# Altium PCB 20220331_Keyboard_V0.1.PcbDoc (part 1 of 2)
Units mil, origin at the board's own origin, x right, y up, seen from the top; angles counter-clockwise.
Board outline 8065.67 x 4703.83 mil, 2 copper layers (Top Layer, Bottom Layer); 134 components, 104 nets, 688 pads, 2532 vias.
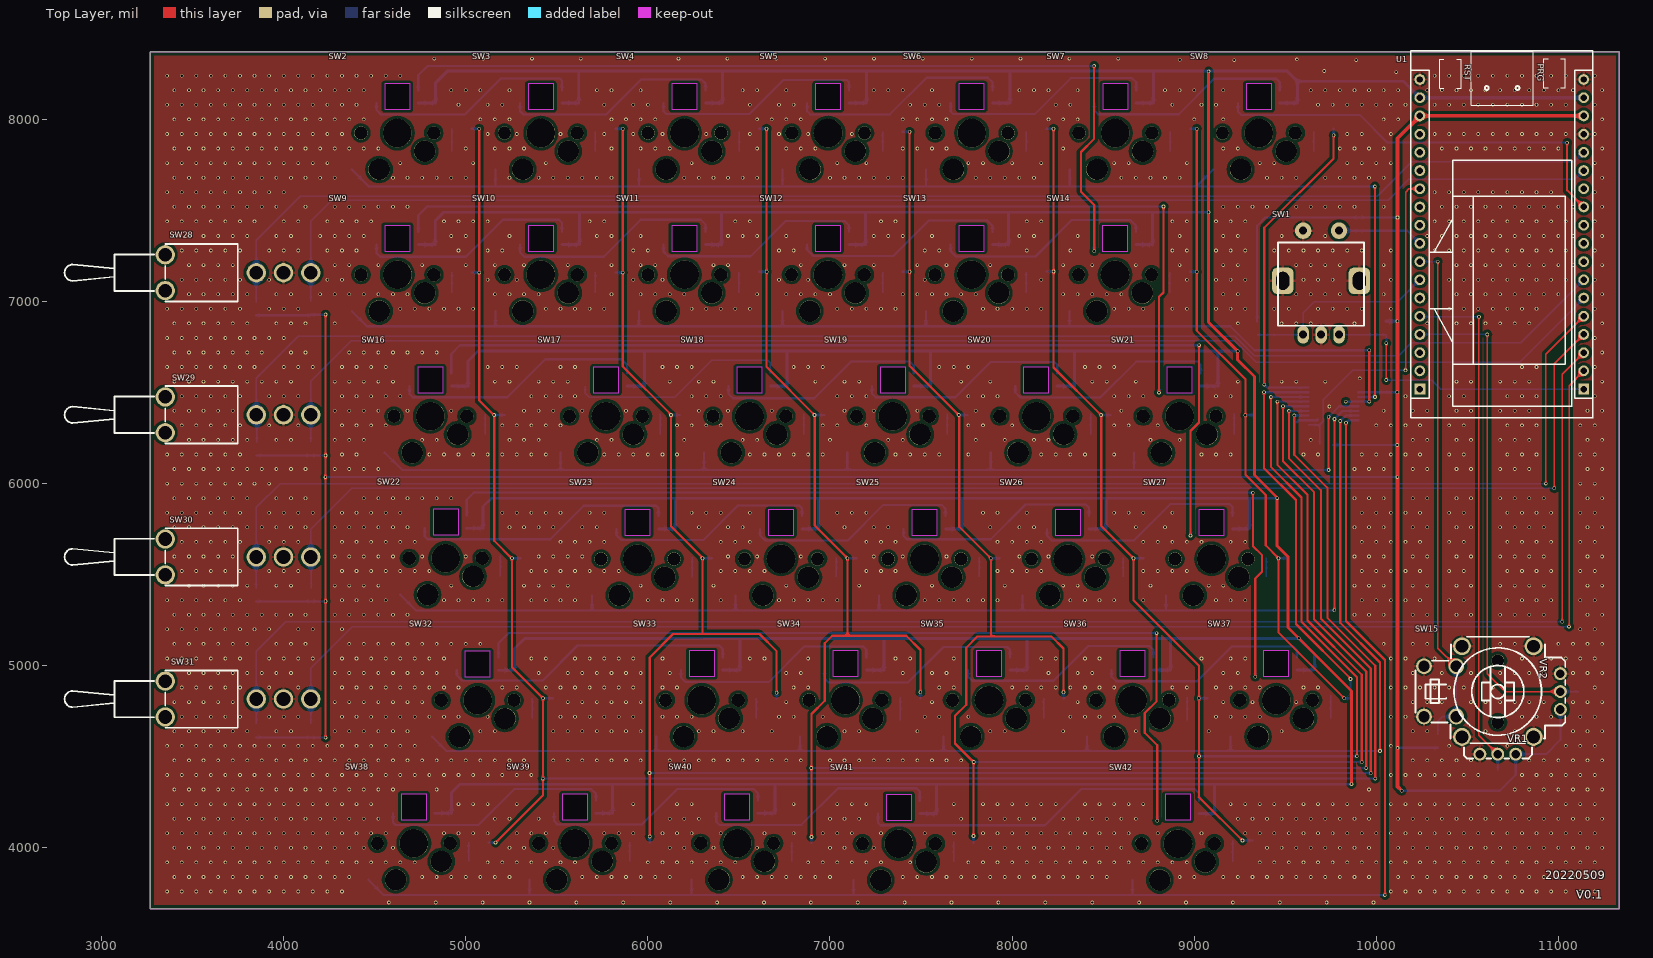
[diagram p0: Top Layer view]
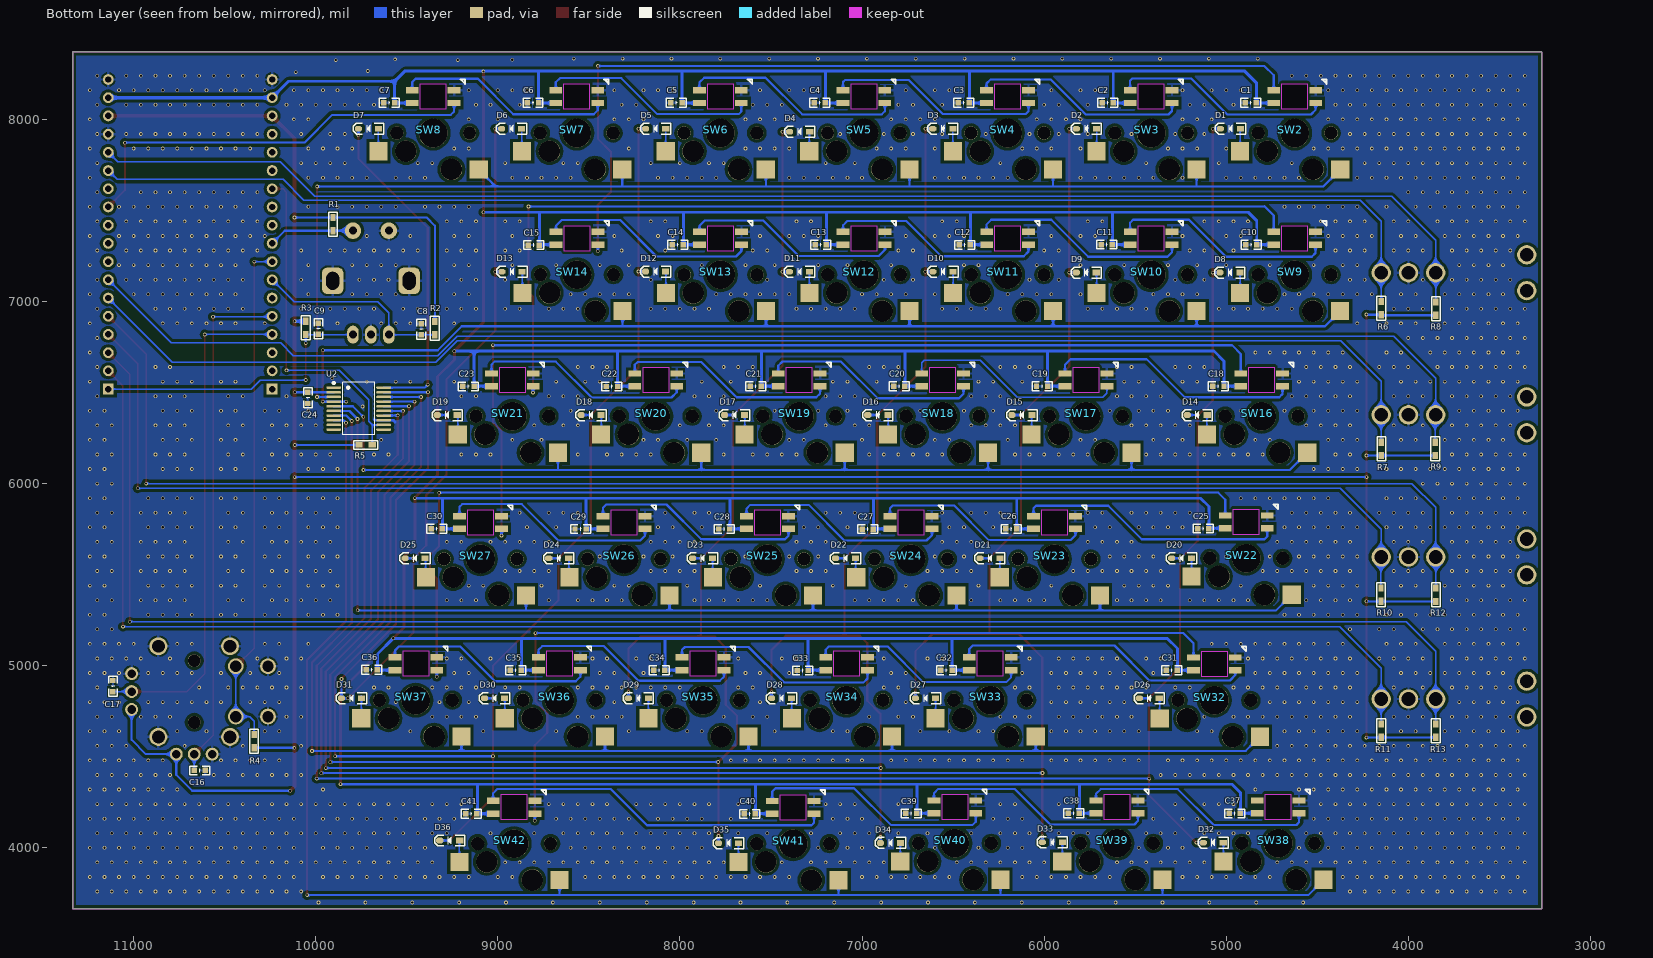
[diagram p1: Bottom Layer view, seen from below]
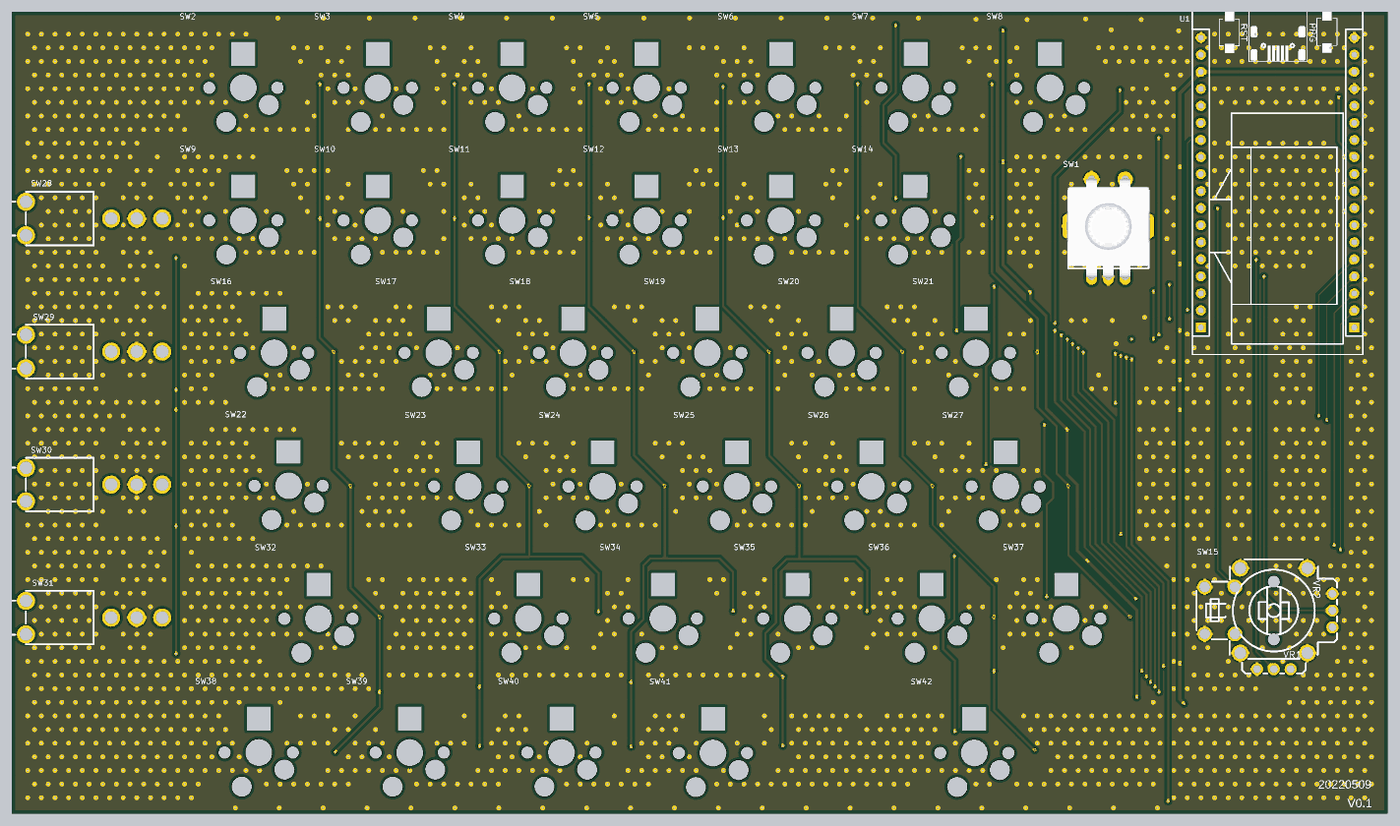
[diagram p3: 3D render of the assembled board from above, using the file's embedded part models]
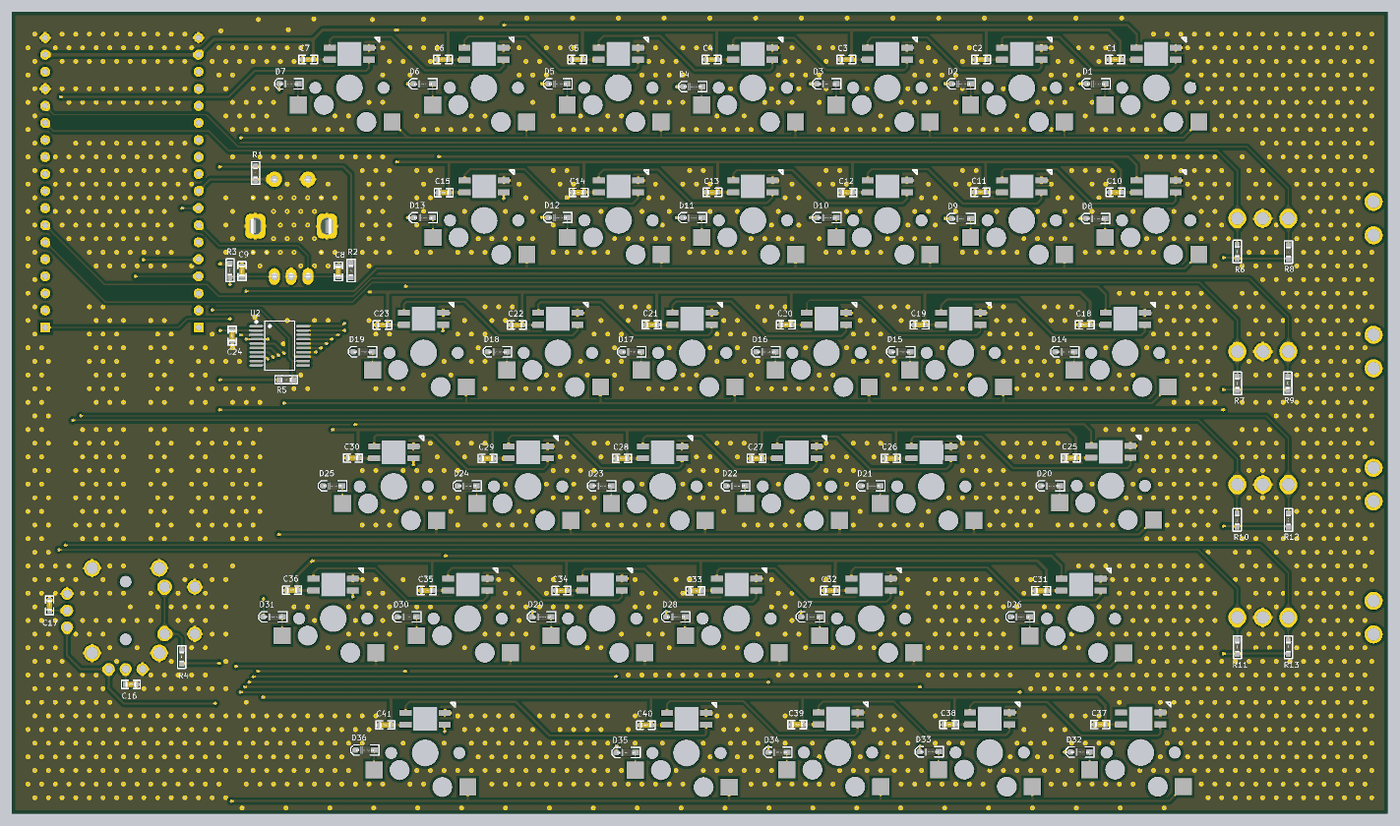
[diagram p4: 3D render of the assembled board from below, using the file's embedded part models]

## Layer stack, top to bottom
Top Solder: solder mask 0.4, Solder Resist, Dk 3.5
Top Layer: signal copper 1.4
Dielectric 1: dielectric 12.6, FR-4, Dk 4.8
Bottom Layer: signal copper 1.4
Bottom Solder: solder mask 0.4, Solder Resist, Dk 3.5

## Board outline
3267.96,3666.76 11333.64,3666.76 11333.64,8370.59 3267.96,8370.59

## Design rules (kind name [scope] priority, off if disabled: settings)
Clearance EARTH [InPolygon vs InNet('EARTH')] p1: gap=39.37
Clearance NETP1-1 [InPolygon vs InNet('NetP1_1')] p2: gap=59.06
Clearance AGND [InPolygon vs InNet('AGND')] p3: gap=39.37
Clearance 12V [InPolygon vs InNet('+12V')] p4: gap=59.06
Clearance inpoly [All vs InPolygon] p5: gap=15.75
Clearance "pad vs trace" [(IsPad) vs (IsTrack)] p6: gap=7.87
Clearance pad [(IsPad) vs (IsPad)] p7: gap=5.91
Clearance Clearance_1 [All] p8: gap=7.87
ComponentClearance [All] p1: gap=0 collisioncheckmode=3 verticalgap=0 showdistances=FALSE
DiffPairsRouting [All] p1: maxlimit=118.11 minlimit=3.94 mostfreqgap=7.87 toplayer_minwidth=15 toplayer_maxwidth=15 toplayer_prefwidth=15 bottomlayer_minwidth=15 bottomlayer_maxwidth=15 bottomlayer_prefwidth=15 maxuncoupledlength=500
HoleSize [All] p1: absolutevalues=TRUE maxlimit=200 minlimit=0 maxpercent=80.000 minpercent=20.000
HoleSize Testpoint [(IsPad And (OnTopLayer Or OnBottomLayer))] p2: absolutevalues=TRUE maxlimit=100 minlimit=1 maxpercent=80.000 minpercent=20.000
HoleSize TestPointUsage [All] p3: absolutevalues=TRUE maxlimit=100 minlimit=1 maxpercent=80.000 minpercent=20.000
HoleToHoleClearance [All] p1: gap=0 allowstackedmicrovias=TRUE
MinimumSolderMaskSliver [All] p1: minsoldermaskwidth=0
MinimumSolderMaskSliver SilkscreenOverComponentPads [IsPad] p2: minsoldermaskwidth=10
NetAntennae [All] p1: netantennaetolerance=99999
PlaneConnect [All] p1: planeconnectstyle=Direct reliefexpansion=20 reliefentries=4 reliefconductorwidth=10 reliefairgap=10
PolygonConnect PolygonConnect_1 [ViaDiameter] p1: connectstyle=Direct reliefconductorwidth=10 reliefentries=4 polygonreliefangle="90 Angle" airgapwidth=10
PolygonConnect [All] p2: connectstyle=Relief reliefconductorwidth=15.75 reliefentries=4 polygonreliefangle="90 Angle" airgapwidth=10
RoutingVias [All] p1: holewidth=11.81 width=27.56 viastyle="Through Hole" minholewidth=5 minwidth=10 maxholewidth=50 maxwidth=200
SilkToSilkClearance [All] p1: silktosilkclearance=0
SilkToSolderMaskClearance [IsPad] p1: minsilkscreentomaskgap=0 clearancetoexposedcopper=TRUE
SolderMaskExpansion [All] p1: expansion=4
Width [All] p1: maxlimit=118.11 minlimit=3.94 preferedwidth=11.81
21 further rules are at their usual default settings.

## Components (designator, comment, footprint, x,y, rotation, side; value= is the part's Value field where it differs from the comment)
C1 "0.1uF/0603" "C 0603_L" 4865.12,8091.17 r180 bottom
C2 "0.1uF/0603" "C 0603_L" 5650.94,8091.17 r180 bottom
C3 "0.1uF/0603" "C 0603_L" 6440.98,8091.17 r180 bottom
C4 "0.1uF/0603" "C 0603_L" 7231.26,8091.17 r180 bottom
C5 "0.1uF/0603" "C 0603_L" 8018.92,8091.17 r180 bottom
C6 "0.1uF/0603" "C 0603_L" 8806.68,8091.17 r180 bottom
C7 "0.1uF/0603" "C 0603_L" 9596.91,8091.17 r180 bottom
C8 "22pF/0603" "C 0603_L" 9419.7,6848.11 r270 bottom
C9 "22pF/0603" "C 0603_L" 9985,6850 r90 bottom
C10 "0.1uF/0603" "C 0603_L" 4862.65,7311.92 r180 bottom
C11 "0.1uF/0603" "C 0603_L" 5655.85,7312.75 r180 bottom
C12 "0.1uF/0603" "C 0603_L" 6435.67,7311.01 r180 bottom
C13 "0.1uF/0603" "C 0603_L" 7226.61,7311.87 r180 bottom
C14 "0.1uF/0603" "C 0603_L" 8011.49,7311.46 r180 bottom
C15 "0.1uF/0603" "C 0603_L" 8802.39,7310 r180 bottom
C16 "0.1uF/0603" "C 0603_L" 10636.8,4424.85 r0 bottom
C17 "0.1uF/0603" "C 0603_L" 11113.41,4888.31 r270 bottom
C18 "0.1uF/0603" "C 0603_L" 5042.65,6534.33 r180 bottom
C19 "0.1uF/0603" "C 0603_L" 6011.17,6534.35 r180 bottom
C20 "0.1uF/0603" "C 0603_L" 6794.91,6534.48 r180 bottom
C21 "0.1uF/0603" "C 0603_L" 7583.01,6534.93 r180 bottom
C22 "0.1uF/0603" "C 0603_L" 8373.12,6533.4 r180 bottom
C23 "0.1uF/0603" "C 0603_L" 9161,6533.62 r180 bottom
C24 "0.1uF/0603" "C 0603_L" 10042.65,6470.58 r90 bottom
C25 "0.1uF/0603" "C 0603_L" 5125.44,5753.31 r180 bottom
C26 "0.1uF/0603" "C 0603_L" 6180.65,5751.08 r180 bottom
C27 "0.1uF/0603" "C 0603_L" 6967.6,5750.63 r180 bottom
C28 "0.1uF/0603" "C 0603_L" 7756.51,5750.72 r180 bottom
C29 "0.1uF/0603" "C 0603_L" 8545.53,5750.8 r180 bottom
C30 "0.1uF/0603" "C 0603_L" 9334.36,5752.57 r180 bottom
C31 "0.1uF/0603" "C 0603_L" 5298.84,4975 r180 bottom
C32 "0.1uF/0603" "C 0603_L" 6536.06,4975.64 r180 bottom
C33 "0.1uF/0603" "C 0603_L" 7326.08,4973.81 r180 bottom
C34 "0.1uF/0603" "C 0603_L" 8112.54,4975.59 r180 bottom
C35 "0.1uF/0603" "C 0603_L" 8900.94,4975.64 r180 bottom
C36 "0.1uF/0603" "C 0603_L" 9691.68,4977.95 r180 bottom
C37 "0.1uF/0603" "C 0603_L" 4952.44,4189.12 r180 bottom
C38 "0.1uF/0603" "C 0603_L" 5837.25,4190.03 r180 bottom
C39 "0.1uF/0603" "C 0603_L" 6728.77,4188.98 r180 bottom
C40 "0.1uF/0603" "C 0603_L" 7616.51,4186.1 r180 bottom
C41 "0.1uF/0603" "C 0603_L" 9144.93,4187.21 r180 bottom
D1 "1N4148WS" SOD-323 4977.04,7948.86 r0 bottom
D2 "1N4148WS" SOD-323 5768.1,7948.86 r0 bottom
D3 "1N4148WS" SOD-323 6556.08,7948.86 r0 bottom
D4 "1N4148WS" SOD-323 7342.43,7932.18 r0 bottom
D5 "1N4148WS" SOD-323 8133.16,7948.86 r0 bottom
D6 "1N4148WS" SOD-323 8924.4,7948.86 r0 bottom
D7 "1N4148WS" SOD-323 9710.48,7948.86 r0 bottom
D8 "1N4148WS" SOD-323 4979.82,7158.7 r0 bottom
D9 "1N4148WS" SOD-323 5768.52,7158.69 r0 bottom
D10 "1N4148WS" SOD-323 6555.23,7163.78 r0 bottom
D11 "1N4148WS" SOD-323 7343.85,7163.12 r0 bottom
D12 "1N4148WS" SOD-323 8133.3,7164.43 r0 bottom
D13 "1N4148WS" SOD-323 8922.39,7163.18 r0 bottom
D14 "1N4148WS" SOD-323 5159.26,6376.59 r0 bottom
D15 "1N4148WS" SOD-323 6122.01,6376.59 r0 bottom
D16 "1N4148WS" SOD-323 6912.94,6376.59 r0 bottom
D17 "1N4148WS" SOD-323 7699.95,6376.59 r0 bottom
D18 "1N4148WS" SOD-323 8487.57,6376.59 r0 bottom
D19 "1N4148WS" SOD-323 9277.8,6376.59 r0 bottom
D20 "1N4148WS" SOD-323 5245.11,5589.95 r0 bottom
D21 "1N4148WS" SOD-323 6297.76,5589.95 r0 bottom
D22 "1N4148WS" SOD-323 7090.33,5589.95 r0 bottom
D23 "1N4148WS" SOD-323 7875.71,5589.95 r0 bottom
D24 "1N4148WS" SOD-323 8665.15,5589.95 r0 bottom
D25 "1N4148WS" SOD-323 9454.06,5589.95 r0 bottom
D26 "1N4148WS" SOD-323 5422.49,4821.13 r0 bottom
D27 "1N4148WS" SOD-323 6651.93,4821.13 r0 bottom
D28 "1N4148WS" SOD-323 7441.47,4821.13 r0 bottom
D29 "1N4148WS" SOD-323 8228.46,4821.13 r0 bottom
D30 "1N4148WS" SOD-323 9018,4821.13 r0 bottom
D31 "1N4148WS" SOD-323 9803.72,4821.13 r0 bottom
D32 "1N4148WS" SOD-323 5071.33,4028.49 r0 bottom
D33 "1N4148WS" SOD-323 5954.71,4030.07 r0 bottom
D34 "1N4148WS" SOD-323 6843.61,4026.91 r0 bottom
D35 "1N4148WS" SOD-323 7732.91,4025.8 r0 bottom
D36 "1N4148WS" SOD-323 9264.01,4040.32 r0 bottom
R1 "10K/0603" "R 0603_M" 9905,7425 r270 bottom
R2 "10K/0603" "R 0603_M" 9345.69,6853.64 r270 bottom
R3 "10K/0603" "R 0603_M" 10055,6855 r90 bottom
R4 "10K/0603" "R 0603_M" 10338.6,4585.65 r90 bottom
R5 "47K/NC/0603" "R 0603_M" 9725.35,6212.17 r180 bottom
R6 "10K/0603" "R 0603_M" 4148.97,6964.15 r90 bottom
R7 "10K/0603" "R 0603_M" 4147.65,6191.02 r90 bottom
R8 "10K/0603" "R 0603_M" 3848.52,6960.67 r90 bottom
R9 "10K/0603" "R 0603_M" 3852.57,6191.02 r90 bottom
R10 "10K/0603" "R 0603_M" 4150,5390 r90 bottom
R11 "10K/0603" "R 0603_M" 4147.98,4643.16 r90 bottom
R12 "10K/0603" "R 0603_M" 3848.22,5389.72 r90 bottom
R13 "10K/0603" "R 0603_M" 3848.77,4643.16 r90 bottom
SW1 "EC11" EC11-B1 9696.86,7103.49 r270 top locked
SW2 "凯华轴座+3528反贴灯" 轴座+3528反贴灯 4623.98,7925 r0 top locked
SW3 "凯华轴座+3528反贴灯" 轴座+3528反贴灯 5412.48,7925 r0 top locked
SW4 "凯华轴座+3528反贴灯" 轴座+3528反贴灯 6200.98,7925 r0 top locked
SW5 "凯华轴座+3528反贴灯" 轴座+3528反贴灯 6989.49,7925 r0 top locked
SW6 "凯华轴座+3528反贴灯" 轴座+3528反贴灯 7777.99,7925 r0 top locked
SW7 "凯华轴座+3528反贴灯" 轴座+3528反贴灯 8566.5,7925 r0 top locked
SW8 "凯华轴座+3528反贴灯" 轴座+3528反贴灯 9355,7925 r0 top locked
SW9 "凯华轴座+3528反贴灯" 轴座+3528反贴灯 4624.39,7147.15 r0 top locked
SW10 "凯华轴座+3528反贴灯" 轴座+3528反贴灯 5412.51,7147.15 r0 top locked
SW11 "凯华轴座+3528反贴灯" 轴座+3528反贴灯 6200.64,7147.15 r0 top locked
SW12 "凯华轴座+3528反贴灯" 轴座+3528反贴灯 6988.76,7147.15 r0 top locked
SW13 "凯华轴座+3528反贴灯" 轴座+3528反贴灯 7776.88,7147.15 r0 top locked
SW14 "凯华轴座+3528反贴灯" 轴座+3528反贴灯 8565,7147.15 r0 top locked
SW15 "RKJXV1224005" 摇杆电位器 10636.38,4810.71 r270 top
SW16 "凯华轴座+3528反贴灯" 轴座+3528反贴灯 4805.47,6370 r0 top locked
SW17 "凯华轴座+3528反贴灯" 轴座+3528反贴灯 5770,6370 r0 top locked
SW18 "凯华轴座+3528反贴灯" 轴座+3528反贴灯 6557.5,6370 r0 top locked
SW19 "凯华轴座+3528反贴灯" 轴座+3528反贴灯 7345,6370 r0 top locked
SW20 "凯华轴座+3528反贴灯" 轴座+3528反贴灯 8132.5,6370 r0 top locked
SW21 "凯华轴座+3528反贴灯" 轴座+3528反贴灯 8920,6370 r0 top locked
SW22 "凯华轴座+3528反贴灯" 轴座+3528反贴灯 4890,5590 r0 top locked
SW23 "凯华轴座+3528反贴灯" 轴座+3528反贴灯 5943.04,5586.31 r0 top locked
SW24 "凯华轴座+3528反贴灯" 轴座+3528反贴灯 6731.03,5586.31 r0 top locked
SW25 "凯华轴座+3528反贴灯" 轴座+3528反贴灯 7519.02,5586.31 r0 top locked
SW26 "凯华轴座+3528反贴灯" 轴座+3528反贴灯 8307.01,5586.31 r0 top locked
SW27 "凯华轴座+3528反贴灯" 轴座+3528反贴灯 9095,5586.31 r0 top locked
SW28 "MT-0-102-C004-N004-RS" 钮子开关三脚二档 3749.24,7158.08 r270 top locked
SW29 "MT-0-102-C004-N004-RS" 钮子开关三脚二档 3749.24,6377.7 r270 top locked
SW30 "MT-0-102-C004-N004-RS" 钮子开关三脚二档 3749.24,5597.32 r270 top locked
SW31 "MT-0-102-C004-N004-RS" 钮子开关三脚二档 3749.24,4816.93 r270 top locked
SW32 "凯华轴座+3528反贴灯" 轴座+3528反贴灯 5065,4810 r0 top locked
SW33 "凯华轴座+3528反贴灯" 轴座+3528反贴灯 6296.09,4810.96 r0 top locked
SW34 "凯华轴座+3528反贴灯" 轴座+3528反贴灯 7084.56,4810.96 r0 top locked
SW35 "凯华轴座+3528反贴灯" 轴座+3528反贴灯 7873.04,4810.96 r0 top locked
SW36 "凯华轴座+3528反贴灯" 轴座+3528反贴灯 8661.52,4810.96 r0 top locked
SW37 "凯华轴座+3528反贴灯" 轴座+3528反贴灯 9450,4810.96 r0 top locked
SW38 "凯华轴座+3528反贴灯" 轴座+3528反贴灯 4715,4025 r0 top locked
SW39 "凯华轴座+3528反贴灯" 轴座+3528反贴灯 5600,4025 r0 top locked
SW40 "凯华轴座+3528反贴灯" 轴座+3528反贴灯 6490,4025 r0 top locked
SW41 "凯华轴座+3528反贴灯" 轴座+3528反贴灯 7378.38,4022.46 r0 top
SW42 "凯华轴座+3528反贴灯" 轴座+3528反贴灯 8910.61,4022.82 r0 top
U1 "ESP32&OLED" ESP32+OLED 10689.21,7432.71 r90 top locked
U2 "BC6561" SSOP-20_L7.5-W5.2-P0.65-LS8.0-BL 9763.93,6411.98 r270 bottom locked

## Footprints (in the part's own frame and the unit in brackets; to place one, negate y for a bottom-side part, rotate by r counter-clockwise, add the part's x,y. Pads: shape width x height; smd on the part's side, far side on the other; paste and mask are expansions set on the pad)
"C 0603_L" [mil] "无极性贴片电容"
  rect 30x30 smd: 1(-30.59,0) 2(30.59,0)
  silkscreen extent -55,-24 55,24, body extent -31,-16 31,16, height 32
EC11-B1 [mm] "数字开关编码器"
  rrect50% 3.7x3 hole 1.8 slot 2.5 at 0 deg: 6(-0.254,5.334) 7(-0.254,-5.334)
  oval 2.5x1.6 hole 1.1: A(7.25,-2.5) B(7.25,2.5) C(7.25,0)
  round 2.3 hole 1.1: D(-7.25,-2.5) E(-7.25,2.5)
  silkscreen extent -5.59,-6 6,6, body extent -7.35,-6.24 7.45,6.24, height 22
ESP32+OLED [mm]
  rect 2.286x0.4 on Top Overlay: 0(17.664,-1.369) 0(17.664,-0.709) 0(17.664,-0.049) 0(17.664,0.611) 0(17.664,1.271)
  rect 1.4x1.4 on Top Overlay: 0(18.369,7.185) 0(18.436,-7.343) 0(23.169,7.185) 0(23.236,-7.343)
  round 1.5 hole 0.9: 1(19.976,-11.424) 2(17.436,-11.424) 3(14.896,-11.424) 4(12.356,-11.424) 5(9.816,-11.424) 6(7.276,-11.424) 7(4.736,-11.424) 8(2.196,-11.424) 9(-0.344,-11.424) 10(-2.884,-11.424) 11(-5.424,-11.424) 12(-7.964,-11.424) 13(-10.504,-11.424) 14(-13.044,-11.424) 15(-15.584,-11.424) 16(-18.124,-11.424) 17(-20.664,-11.424) 20(-20.665,11.423) 21(-18.125,11.423) 22(-15.585,11.423) 23(-13.045,11.423) 24(-10.505,11.423) 25(-7.965,11.423) 26(-5.425,11.423) 27(-2.885,11.423) 28(-0.345,11.423) 29(2.195,11.423) 30(4.735,11.423) 31(7.275,11.423) 32(9.815,11.423) 33(12.355,11.423) 34(14.895,11.423) 35(17.435,11.423) 36(19.975,11.423)
  rrect50% 1.7x1.05 on Top Overlay: 6(17.41,-3.624) 7(17.41,3.526) 8(20.86,-3.624) 9(20.86,3.526)
  rect 1.5x1.5 hole 0.9: 18(-23.204,-11.424) 19(-23.205,11.423)
  silkscreen extent -27.24,-12.73 23.97,12.7
"R 0603_M" [mil] "1/10W贴片电阻"
  rect 40x30 smd: 1(-36.5,0) 2(36.5,0)
  silkscreen extent -66,-24 66,24, body extent -31,-16 31,16, height 16
SOD-323 [mm] "1.8x1.3X0.9mm（长宽高，不包括引脚）"
  rect 1x0.8 smd: 1(-1.4,0)
  oct 1x0.8 smd: 2(1.4,0)
  silkscreen extent -2.11,-0.76 2.11,0.76, body extent -1.34,-0.63 1.31,0.67, height 1
SSOP-20_L7.5-W5.2-P0.65-LS8.0-BL [mm]
  oval 0.364x2.069 smd: 1(-2.925,-3.482) 2(-2.275,-3.482) 3(-1.625,-3.482) 4(-0.975,-3.482) 5(-0.325,-3.482) 6(0.325,-3.482) 7(0.975,-3.482) 8(1.625,-3.482) 9(2.275,-3.482) 10(2.925,-3.482) 11(2.925,3.482) 12(2.275,3.482) 13(1.625,3.482) 14(0.975,3.482) 15(0.325,3.482) 16(-0.325,3.482) 17(-0.975,3.482) 18(-1.625,3.482) 19(-2.275,3.482) 20(-2.925,3.482)
  silkscreen extent -3.71,-3.63 3.68,2.22
摇杆电位器 [mm]
  round 1.8 hole 1.2: 1(7.527,-1.719) 2(7.527,0.781) 3(7.527,3.281) 4(1.297,9.511) 5(-1.202,9.511) 6(-3.703,9.511)
  round 2.5 hole 1.8: 7(-7.527,5.781) 8(-7.527,-4.219) 9(5.123,-4.219) 10(5.123,5.781)
  round 2.2 hole 1.6: a(-4.722,-5.011) b(-4.722,-9.511) c(2.278,-5.011) d(2.278,-9.511)
  round 1.8 hole 1.8 unplated: ""(-5.503,0.781) ""(3.097,0.781)
  silkscreen extent -8.85,-10.72 8.15,10.2
轴座+3528反贴灯 [mil]
  rect 70x35 smd far side: 1(115,165) 2(115,235) 5(-115,235) 6(-115,165)
  rect 100x100 smd far side: 3(-250,-200) 4(300,-100)
  round 72.83 hole 72.83 unplated: ""(-200,0) ""(200,0)
  round 118.11 hole 118.11 unplated: ""(-100,-200) ""(150,-100)
  round 157.48 hole 157.48 unplated: ""(0,0)
  Keep-Out Layer board cut-out: 70,270 -70,270 -70,130 70,130
  body extent -307,-307 307,307, height 136
钮子开关三脚二档 [mm]
  round 2.7 hole 1.9: 1(0,10.15) 2(0,6.35) 3(0,2.55) 4(2.5,-10.15) 5(-2.5,-10.15)
  silkscreen extent -4,-24.18 4,-0.05

## Part data
C1 C2 C3 C4 C5 C6 C7 C8 C9 C10 C11 C12 C13 C14 C15 C16 C17 C18 C19 C20 C21 C22 C23 C24 C25 C26 C27 C28 C29 C30 C31 C32 C33 C34 C35 C36 C37 C38 C39 C40 C41: library part Cap, "Capacitor"
D1 D2 D3 D4 D5 D6 D7 D8 D9 D10 D11 D12 D13 D14 D15 D16 D17 D18 D19 D20 D21 D22 D23 D24 D25 D26 D27 D28 D29 D30 D31 D32 D33 D34 D35 D36: library part Diode, "Default Diode"
R1 R2 R3 R4 R5 R6 R7 R8 R9 R10 R11 R12 R13: library part R, "电阻"
U2: library part TLC1543IDBR

## Via types
v1: diameter 20, hole 12, Top Layer to Bottom Layer, 2532 vias

## Nets (pads, with @x,y where several pads share a name; then routed paths per layer and width w, separated by ;. In a path a pad name is that pad's centre, name@x,y a point inside that pad or via, vN(x,y) a via of type N, cw(c..) or ccw(c..) an arc to the next point about the centre after c; other vN are vias at no path point)
3V3: C24.2 R1.1 R2.1 R3.2 R4.1 R5.1 R6.1 R7.1 R8.1 R9.1 R10.1 R11.1 R12.1 R13.1 SW15.3 SW15.4 U1.3 U1.34 U2.2 | length 17780.9
  Top Layer w12: v1(4230,4605) v1(4230,6928.3)
  Top Layer w20: v1(10139.95,4312.97) 10116.29,4336.62 10116.29,7895.92 U1.34@10239.48,8019.11 ; U1.34@10239.54,8019.17 U1.3@11138.98,8019.17
  Bottom Layer w12: R12.1@3848.22,5353.22 R10.1@4149.72,5353.22 ; R8.1@3848.52,6924.17 R6.1@4145.49,6924.17 ; R13.1@3848.77,4606.66 R11.1@4147.98,4606.66 4149.64,4605 v1(4230,4605) ; R9.1@3852.57,6154.52 R7.1@4147.65,6154.52 v1@4229.64,6154.52 ; R6.1@4148.97,6927.65 v1@4230,6927.65 ; R10.1@4150,5353.5 v1@4230.05,5353.5 ; v1(4228.82,6035.76) v1(10115.83,6035.76) ; R2.1@9345.69,6890.14 9345.69,7416.77 9390.42,7461.5 R1.1@9905,7461.5 v1(10116.4,7461.5) ; R5.1@9761.85,6212.17 v1(10115.42,6212.17) ; U2.2@9901.02,6501.55 v1(10114.54,6501.55) ; v1@10117.25,4549.15 R4.1@10338.6,4549.15 ; v1(10139.95,4312.97) 10677.94,4312.96 10765.55,4400.57 SW15.3@10765.55,4514.36 10932.45,4514.36 11010.82,4592.73 SW15.4@11010.82,4759.64 ; U1.34@10239.48,8019.11 U1.34@10239.54,8019.17
  Bottom Layer w20: R3.2@10055,6891.5 v1(10115.88,6891.5)
  other v1: 10116.98,4548.97 4230.05,5353.71 4230.27,6154.39
+5V: C1.2 C2.2 C3.2 C4.2 C5.2 C6.2 C7.2 C10.2 C11.2 C12.2 C13.2 C14.2 C15.2 C18.2 C19.2 C20.2 C21.2 C22.2 C23.2 C25.2 C26.2 C27.2 C28.2 C29.2 C30.2 C31.2 C32.2 C33.2 C34.2 C35.2 C36.2 C37.2 C38.2 C39.2 C40.2 C41.2 SW2.1 SW3.1 SW4.1 SW5.1 SW6.1 SW7.1 SW8.1 SW9.1 SW10.1 SW11.1 SW12.1 SW13.1 SW14.1 SW16.1 SW17.1 SW18.1 SW19.1 SW20.1 SW21.1 SW22.1 SW23.1 SW24.1 SW25.1 SW26.1 SW27.1 SW32.1 SW33.1 SW34.1 SW35.1 SW36.1 SW37.1 SW38.1 SW39.1 SW40.1 SW41.1 SW42.1 U1.2 U1.35 | length 41869.3
  Top Layer w16: v1(9079.19,8263.66) 9079.19,6886.39 v1(9238.79,6726.79) 9238.79,6679.63 9330.97,6587.44 9330.97,6046.98 v1@9456.76,5921.19 ; v1(9455.78,5920.2) 9455.78,5657.42 9514.75,5598.45 9514.75,5209.75 9863.9,4860.59 v1(9863.9,4349.76)
  Bottom Layer w16: SW2.1@4738.98,8090 C1.2@4826.08,8090 ; SW9.1@4739.39,7312.15 C10.2@4828.55,7312.15 ; SW38.1@4830,4190 C37.2@4914.77,4190 ; C10.2@4832.06,7311.92 4832.06,7443.26 4879.17,7490.37 v1(9078.99,7490.37) ; C1.2@4834.53,8091.17 4834.53,8201.22 4898.05,8264.74 9511.18,8264.74 9566.32,8209.61 ; SW16.1@4920.47,6535 C18.2@5008.56,6535 ; C37.2@4921.85,4189.12 4921.85,4302.19 4968.91,4349.25 v1@9863.9,4349.25 ; SW22.1@5005,5755 C25.2@5090.4,5755 ; C18.2@5012.06,6534.33 5012.06,6671.92 5067.69,6727.56 v1@9239.92,6727.56 ; C25.2@5094.85,5753.31 5094.85,5873.78 5140.68,5919.61 v1@9455.78,5919.61 ; SW32.1@5180,4975 C31.2@5265.1,4975 ; C31.2@5268.25,4975 5268.25,5094.83 5323.49,5150.08 v1@9573.95,5150.08 ; SW10.1@5527.51,7312.15 C11.2@5616.25,7312.15 ; SW3.1@5527.48,8090 C2.2@5615.7,8090 ; C2.2@5620.35,8091.17 5620.35,8264.05 ; C11.2@5625.26,7312.75 5625.26,7490.28 ; SW39.1@5715,4190 C38.2@5801.13,4190 ; C38.2@5806.66,4190.03 5806.66,4348.88 ; SW17.1@5885,6535 C19.2@5971.79,6535 ; C19.2@5980.58,6534.35 5980.58,6726.22 ; SW23.1@6058.04,5751.31 C26.2@6144.94,5751.31 ; C26.2@6150.06,5751.08 6150.06,5913.8 ; SW11.1@6315.64,7312.15 C12.2@6403.95,7312.15 ; SW4.1@6315.98,8090 C3.2@6405.31,8090 ; C12.2@6405.08,7311.01 6405.08,7488.94 ; C3.2@6410.39,8091.17 6410.39,8264.51 ; SW33.1@6411.09,4975.96 C32.2@6499.93,4975.96 ; C32.2@6505.47,4975.64 6505.47,5144.56 ; SW40.1@6605,4190 C39.2@6691.56,4190 ; SW18.1@6672.5,6535 C20.2@6758.85,6535 ; C39.2@6698.18,4188.98 6698.18,4347.81 ; C20.2@6764.32,6534.48 6764.32,6726.7 ; SW24.1@6846.03,5751.31 C27.2@6932.57,5751.31 ; C27.2@6937.01,5750.63 6937.01,5917.98 ; SW12.1@7103.76,7312.15 C13.2@7191.64,7312.15 ; SW5.1@7104.49,8090 C4.2@7194.92,8090 ; C13.2@7196.02,7311.87 7196.02,7487.97 ; SW34.1@7199.56,4975.96 C33.2@7288.04,4975.96 ; C4.2@7200.67,8091.17 7200.67,8264.02 ; C33.2@7295.49,4973.81 7295.49,5144.31 ; SW19.1@7460,6535 C21.2@7545.92,6535 ; SW41.1@7493.38,4187.46 C40.2@7579.14,4187.46 ; C21.2@7552.42,6534.93 7552.42,6725.57 ; C40.2@7585.92,4186.1 7585.92,4347.09 ; SW25.1@7634.02,5751.31 C28.2@7720.21,5751.31 ; C28.2@7725.92,5750.72 7725.92,5917.37 ; SW13.1@7891.88,7312.15 C14.2@7979.34,7312.15 ; SW6.1@7892.99,8090 C5.2@7984.54,8090 ; C14.2@7980.9,7311.46 7980.9,7487.3 ; SW35.1@7988.04,4975.96 C34.2@8076.14,4975.96 ; C5.2@7988.33,8091.17 7988.33,8261.58 ; C34.2@8081.95,4975.59 8081.95,5143.44 ; SW20.1@8247.5,6535 C22.2@8332.99,6535 ; C22.2@8342.53,6533.4 8342.53,6721.55 ; SW26.1@8422.01,5751.31 C29.2@8507.84,5751.31 ; C29.2@8514.94,5750.8 8514.94,5913.61 ; SW14.1@8680,7312.15 C15.2@8767.04,7312.15 ; SW7.1@8681.5,8090 C6.2@8774.15,8090 ; C15.2@8771.8,7310 8771.8,7487.31 ; C6.2@8776.09,8091.17 8776.09,8260.93 ; SW36.1@8776.52,4975.96 C35.2@8864.25,4975.96 ; C35.2@8870.35,4975.64 8870.35,5145.6 ; SW42.1@9025.61,4187.82 9111.3,4187.82 9111.3,4348.17 ; SW21.1@9035,6535 C23.2@9120.05,6535 ; C23.2@9130.41,6533.62 9130.41,6727.8 ; SW27.1@9210,5751.31 C30.2@9295.48,5751.31 ; C30.2@9303.77,5752.57 9303.77,5918.38 ; SW8.1@9470,8090 C7.2@9563.76,8090 ; SW37.1@9565,4975.96 C36.2@9652.36,4975.96 ; C7.2@9566.32,8091.17 9566.32,8209.61 ; v1(9573.95,5150.71) 9661.09,5063.58 C36.2@9661.09,4977.95 ; U1.35@10239.48,8119.11 10148.99,8209.61 9566.32,8209.61
  Bottom Layer w20: U1.35@10239.48,8119.11 10239.54,8119.17 U1.2@11138.98,8119.17
AXIS_BUTTON: R4.2 SW15.a SW15.c U1.26 | length 2824.8
  Top Layer w8: v1@10338.79,7221.82 10338.79,5096.9 SW15.a@10439.09,4996.6
  Bottom Layer w8: U1.26@10239.48,7219.11 v1(10337.14,7219.11) ; R4.2@10338.6,4622.15 10338.6,4696.17 10363.44,4721.01 SW15.c@10439.09,4721.01 SW15.a@10439.09,4996.6
AXIS_X: C16.2 SW15.2 U1.23 | length 2861
  Top Layer w8: v1@10562.65,6917.04 10562.65,4618.84 SW15.2@10667.12,4514.36
  Bottom Layer w8: U1.23@10239.48,6919.11 10239.83,6919.46 10242.95,6916.34 v1(10563.87,6916.34) ; C16.2@10667.12,4425.12 SW15.2@10667.12,4514.36
AXIS_Y: C17.2 SW15.5 U1.22 | length 2777.3
  Top Layer w8: v1@10610.12,6818.93 10610.12,4954.78 10706.85,4858.05 SW15.5@11010.82,4858.05
  Bottom Layer w8: U1.22@10239.48,6819.11 v1(10609.65,6819.11) ; SW15.5@11010.82,4858.05 C17.2@11113.08,4858.05
BC_RX: U1.32
BC_TX: R5.2 U1.30 U2.12 | length 1892
  Top Layer w8: v1(10160.63,6622) 10160.63,7600.45 10179.29,7619.11 U1.30@10239.48,7619.11
  Bottom Layer w8: U2.12@9626.84,6322.42 9688.64,6322.42 ; R5.2@9688.64,6216.18 9688.64,6322.42 ; v1@10155.08,6622.26 9871.9,6622.26 9709.64,6460 9709.64,6343.42 9688.64,6322.42
COL0: D1.2 D8.2 D14.2 D20.2 D26.2 D32.2 U2.14 | length 11281.9
  Top Layer w12: v1(5073.67,7948.86) 5073.67,6456.31 5156.43,6373.54 5156.43,5685.78 5252.98,5589.24 5252.98,4992.46 5423.77,4821.67 5423.77,4289.27 v1(5162.99,4028.49) ; v1(9549.86,6374.63) 9549.86,6158.63 9731.33,5977.16 9731.33,5263.17 9993.87,5000.63 9993.87,4379.97 v1(9993.75,4379.85)
  Bottom Layer w12: D1.2@5032.16,7948.86 v1(5073.67,7948.86) ; D8.2@5034.93,7158.7 v1(5073.52,7158.7) ; D32.2@5126.45,4028.49 v1(5162.99,4028.49) ; v1(5155.49,6376.59) D14.2@5214.38,6376.59 ; v1(5253.41,5589.95) D20.2@5300.23,5589.95 ; v1(5422.41,4379.85) v1@9999.69,4379.85 ; v1(5424.49,4821.13) D26.2@5477.61,4821.13 ; v1@9549.86,6373.6 U2.14@9626.84,6373.6
COL1: D2.2 D9.2 D15.2 D21.2 D27.2 D33.2 U2.15 | length 11438
  Top Layer w12: v1(5862.14,7948.86) 5862.14,6643.47 6127.47,6378.14 6127.47,5764.38 6300.58,5591.27 6300.58,5174.43 6612.73,5174.43 6707.05,5080.11 v1(6707.05,4851.24) ; v1(6009.83,4062.04) 6009.83,5045.36 6138.14,5173.67 6300.58,5173.67 ; v1@9519.99,6397.76 9519.99,6139.16 9695.45,5963.7 9695.45,5259.47 9970,4984.91 v1(9970,4410)
  Bottom Layer w12: D2.2@5823.21,7948.86 v1(5862.14,7948.86) ; D9.2@5823.64,7158.69 v1(5862.16,7158.69) ; v1(6008.63,4410.9) v1@9965.36,4410.9 ; D33.2@6009.83,4030.07 v1(6009.83,4062.04) ; v1(6126.82,6376.59) D15.2@6177.13,6376.59 ; v1@6300.07,5589.95 D21.2@6352.88,5589.95 ; D27.2@6707.05,4821.13 v1(6707.05,4851.24) ; v1(9520.01,6399.19) U2.15@9626.84,6399.19
  other v1: 6299.96,5589.83
COL2: D3.2 D10.2 D16.2 D22.2 D28.2 D34.2 U2.16 | length 10482.4
  Top Layer w12: v1(6651.33,7948.86) 6651.33,6641.08 6916.76,6375.65 6916.76,5770.03 v1@7096.2,5590.6 ; v1(6898.73,4059.8) 6898.73,4734.59 6971.25,4807.11 6971.25,5123.86 7011.75,5164.36 7418.78,5164.36 7496.59,5086.55 v1(7496.59,4854.66) ; 7096.2,5164.36 v1@7096.2,5589.95 ; v1@9487.63,6424.28 9487.63,6123.22 9658.64,5952.21 9658.64,5253.54 9944.3,4967.88 v1(9944.3,4437.67)
  Bottom Layer w12: D10.2@6610.35,7163.78 v1(6652.77,7163.78) ; D3.2@6611.2,7948.86 v1(6651.33,7948.86) ; v1(6896.94,4438.39) v1@9944.3,4438.39 ; D34.2@6898.73,4026.91 v1(6898.73,4059.8) ; v1(6915.28,6376.59) D16.2@6968.05,6376.59 ; v1(7095.32,5589.95) D22.2@7145.45,5589.95 ; D28.2@7496.59,4821.13 v1(7496.59,4854.66) ; v1(9487.86,6424.78) U2.16@9626.84,6424.78
COL3: D4.2 D11.2 D17.2 D23.2 D29.2 D35.2 U2.17 | length 9609.5
  Top Layer w12: v1(7437.27,7932.18) 7437.27,6645.68 7709.31,6373.64 7709.31,5763.41 7884.91,5587.81 7884.91,5165.2 7888.91,5161.2 ; v1(7787.73,4064.9) 7787.73,4471.55 7686.87,4572.41 7686.87,4724.7 7747.75,4785.58 7747.75,5099.09 7809.86,5161.2 7888.91,5161.2 ; v1(8282.11,4853.88) 8282.11,5094.45 8215.35,5161.2 7888.91,5161.2 ; v1(9456.66,6450.38) 9456.66,6103.8 9621.84,5938.63 9621.84,5248.23 9920,4950.07 v1(9920,4470)
  Bottom Layer w12: D4.2@7397.54,7932.18 v1(7437.27,7932.18) ; D11.2@7398.97,7163.12 v1(7437.16,7163.12) ; v1(7706.76,6376.59) D17.2@7755.07,6376.59 ; D35.2@7788.02,4025.8 v1@7788.02,4064.9 ; v1(7789.39,4471.31) v1@9920,4471.31 ; v1(7883.13,5589.95) D23.2@7930.83,5589.95 ; v1(8282.11,4853.88) 8282.11,4828.05 8286.31,4823.86 D29.2@8283.58,4821.13 ; v1@9456.48,6450.37 U2.17@9626.84,6450.37
COL4: D5.2 D12.2 D18.2 D24.2 D30.2 D36.2 U2.18 | length 7870.9
  Top Layer w12: v1(8227.64,7948.86) 8227.64,6637.77 8489.68,6375.73 8489.68,5766.97 8666.75,5589.9 8666.75,5359.49 9026.59,4999.65 9026.59,4278.2 v1@9266.53,4038.26 ; v1(9421.02,6475.96) 9421.02,6092.18 9589.63,5923.57 9589.63,5242.1 9893.21,4938.52 v1(9893.21,4502.83)
  Bottom Layer w12: D5.2@8188.28,7948.86 v1(8227.64,7948.86) ; D12.2@8188.42,7164.43 v1(8228.17,7164.43) ; v1(8488.61,6376.59) D18.2@8542.69,6376.59 ; v1(8666.57,5589.95) D24.2@8720.27,5589.95 ; v1(9025.29,4821.13) D30.2@9073.11,4821.13 ; v1(9026.32,4502.93) v1@9893.21,4502.93 ; v1(9265.3,4040.32) D36.2@9319.13,4040.32 ; v1(9421.02,6475.96) U2.18@9626.84,6475.96
COL5: D6.2 D13.2 D19.2 D25.2 D31.2 U2.19 | length 5786.2
  Top Layer w12: v1(9014.24,7948.86) 9014.24,6840.11 9282.54,6571.81 9282.54,6047.77 9393.16,5937.15 9393.16,5660.89 9462.22,5591.83 9462.22,5183.39 v1(9824.48,4821.13) ; v1@9383.58,6498.81 9383.58,6084.66 9558.7,5909.54 9558.7,5229.04 9858.84,4928.91 9858.59,4928.66 v1(9858.59,4927.29)
  Bottom Layer w12: D13.2@8977.51,7163.18 v1(9014.29,7163.18) ; D6.2@8979.51,7948.86 v1(9014.24,7948.86) ; v1@9282.55,6375.85 9281.81,6376.59 D19.2@9332.92,6376.59 ; v1(9383.26,6501.55) U2.19@9626.84,6501.55 ; v1(9462.64,5589.95) D25.2@9509.18,5589.95 ; v1(9824.48,4821.13) D31.2@9858.84,4821.13 9858.59,4821.37 v1(9858.59,4927.29)
  other v1: 9280.33,6375.36
COL6: D7.2 U2.20 | length 1812.8
  Top Layer w12: v1@9384.8,6543.13 9384.8,7404.96 9765.6,7785.76 v1(9765.6,7913.11)
  Bottom Layer w12: v1(9384.37,6543.66) 9400.88,6527.14 U2.20@9626.84,6527.14 ; v1(9765.6,7913.11) D7.2@9765.6,7948.86
EC11_1_A: C8.2 R2.2 SW1.A U1.25 | length 1089.2
  Bottom Layer w8: R2.2@9345.69,6817.14 9597.51,6817.14 SW1.A@9598.43,6818.06 9598.43,6938.03 9658.8,6998.4 10118.77,6998.4 U1.25@10239.48,7119.11
EC11_1_B: C9.1 R3.1 SW1.B U1.18 | length 1614
  Top Layer w8: v1(10055,6568.94) v1(10055,6771.37)
  Bottom Layer w8: SW1.B@9795.28,6818.06 10054.56,6818.06 R3.1@10055,6818.5 v1(10055,6771.37) ; v1@10055,6568.73 10305.02,6568.73 10354.59,6519.17 U1.18@11138.98,6519.17
EC11_BUTTON: R1.2 SW1.E U1.27 | length 473.1
  Bottom Layer w12: SW1.E@9795.28,7388.92 9904.58,7388.92 R1.2@9905,7388.5 10170.1,7388.5 U1.27@10239.48,7319.11